# Altium PCB Lay-51943_B.brd.PcbDoc (part 5 of 8) (continued)
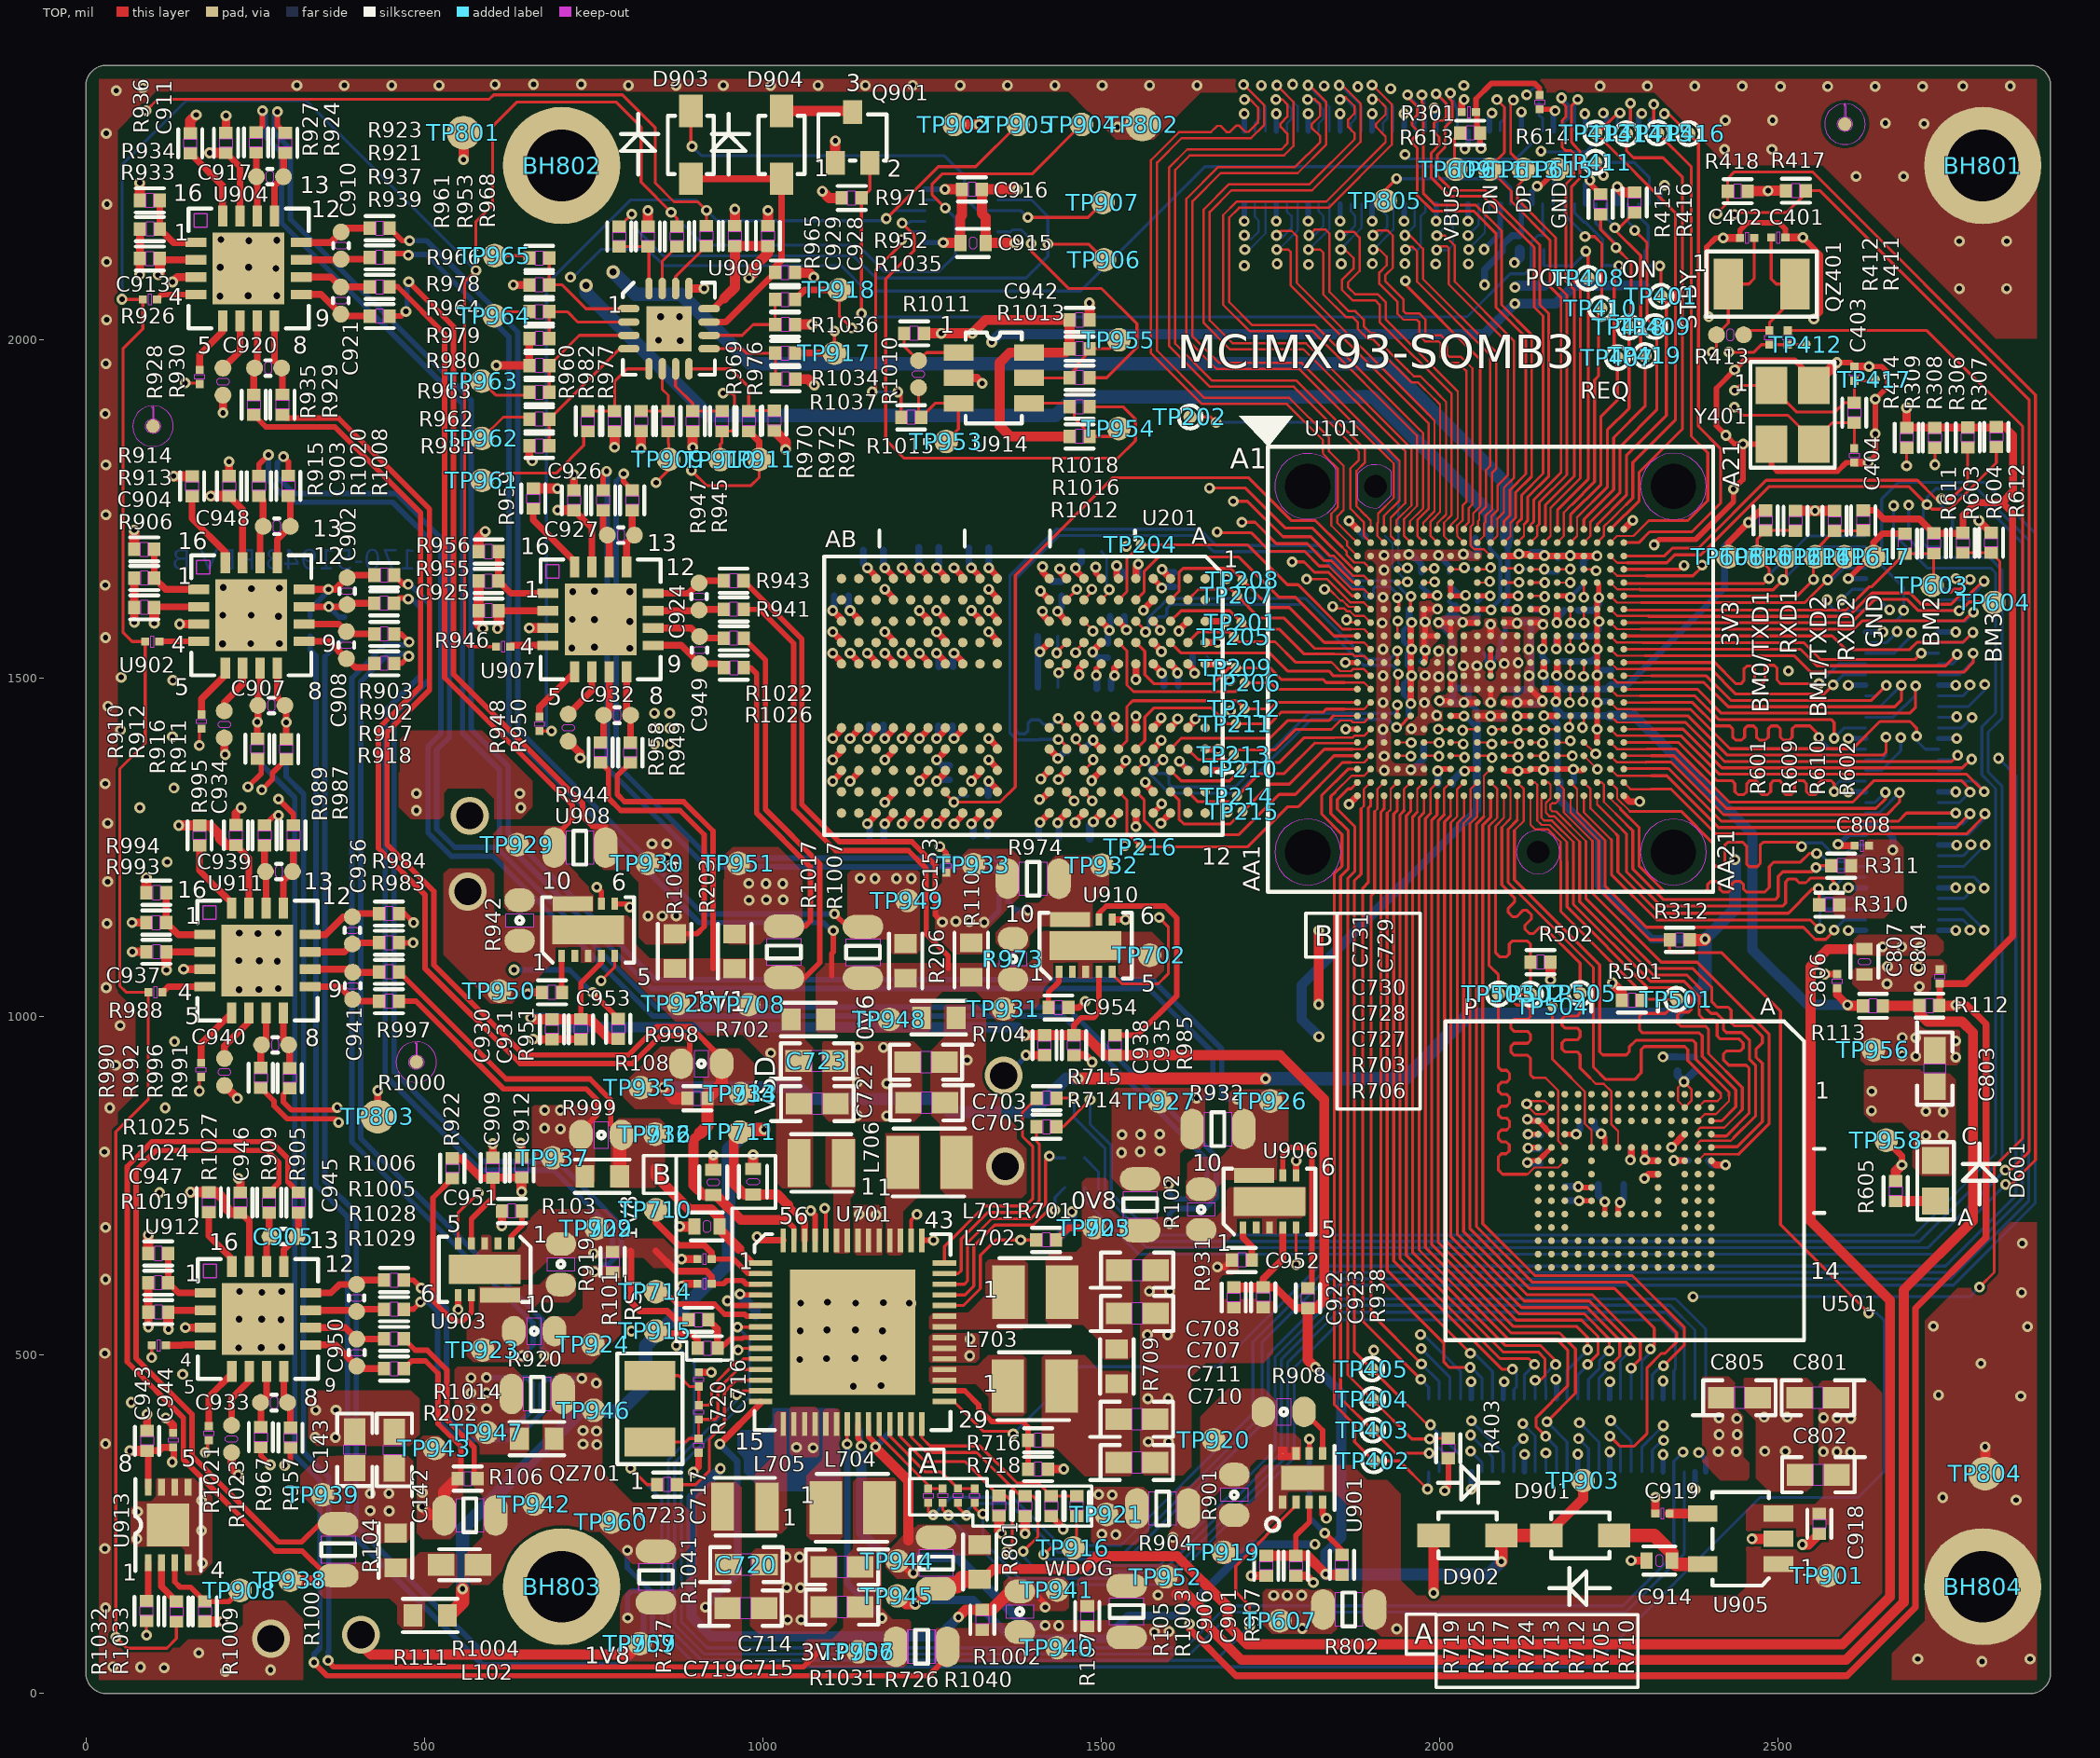
[diagram p0: TOP view]
## Nets (pads, with @x,y where several pads share a name; then routed paths per layer and width w, separated by ;. In a path a pad name is that pad's centre, name@x,y a point inside that pad or via, vN(x,y) a via of type N, cw(c..) or ccw(c..) an arc to the next point about the centre after c; other vN are vias at no path point) (continued)
NetC936_1: C936.1 R983.2 U911.11 | length 107.5
  TOP w10: U911.11@331.31,1095.86 382.04,1095.86 C936.1@393.81,1107.63 395.6,1109.42 R983.2@433.18,1109.42
NetC936_2: C936.2 R984.2 U911.12 | length 114.8
  TOP w10: U911.12@331.31,1121.45 354.16,1121.45 380.34,1147.63 C936.2@393.81,1147.63 398.8,1152.62 R984.2@433.18,1152.62
NetC939_1: C939.1 R987.2 U911.13 | length 98.8
  TOP w10: U911.13@291.94,1160.82 291.93,1201.27 C939.1@305.3,1214.64 306.63,1215.97 R987.2@306.63,1253.55
NetC939_2: C939.2 R989.2 U911.14 | length 93.6
  TOP w10: R989.2@264.03,1253.43 264.03,1215.91 C939.2@265.3,1214.64 266.34,1213.6 U911.14@266.35,1160.82
NetC940_1: C940.1 R991.2 U911.8 | length 85.1
  TOP w10: U911.8@291.94,1005.3 291.93,966.24 C940.1@299.66,958.51 301.15,957.02 R991.2@301.15,924.02
NetC940_2: C940.2 R996.2 U911.7 | length 84
  TOP w10: R996.2@258.45,924.54 258.45,957.3 C940.2@259.66,958.51 266.34,965.19 U911.7@266.35,1005.3
NetC941_1: C941.1 R997.2 U911.10 | length 104.1
  TOP w10: U911.10@331.31,1070.26 389.66,1070.26 C941.1@394.21,1065.71 432.47,1065.71 R997.2@433.18,1066.42
NetC941_2: C941.2 R1000.2 U911.9 | length 110.8
  TOP w10: U911.9@331.31,1044.67 375.25,1044.67 C941.2@394.21,1025.71 396.9,1023.02 R1000.2@433.18,1023.02
NetC945_1: C945.1 R1005.2 U912.11 | length 110.8
  TOP w10: U912.11@331.97,566.34 398.24,566.34 C945.1@400,564.58 403.37,567.95 R1005.2@440.65,567.95
NetC945_2: C945.2 R1006.2 U912.12 | length 116.6
  TOP w10: U912.12@331.97,591.93 362.02,591.93 374.67,604.58 C945.2@400,604.58 406.37,610.95 R1006.2@440.65,610.95
NetC948_1: C948.1 R1008.2 U902.13 | length 108
  TOP w10: U902.13@282.82,1670.92 282.82,1705.45 C948.1@302,1724.63 302,1767.21 R1008.2@299.34,1769.87
NetC948_2: C948.2 R1020.2 U902.14 | length 103.1
  TOP w10: R1020.2@255.64,1769.45 262,1763.09 C948.2@262,1724.63 257.23,1719.86 U902.14@257.23,1670.92
NetC949_1: C949.1 R1022.2 U907.10 | length 110.3
  TOP w10: U907.10@838.33,1574.43 894.26,1574.43 C949.1@906.87,1561.82 909.09,1559.6 R1022.2@942.47,1559.6
NetC949_2: C949.2 R1026.2 U907.9 | length 118.1
  TOP w10: U907.9@838.33,1548.84 879.85,1548.84 C949.2@906.87,1521.82 936.73,1521.82 R1026.2@942.75,1515.8
NetC950_1: C950.1 R1028.2 U912.10 | length 115.8
  TOP w10: U912.10@331.97,540.74 383.28,540.74 C950.1@400.28,523.74 400.49,523.95 R1028.2@440.65,523.95
NetC950_2: C950.2 R1029.2 U912.9 | length 123.2
  TOP w10: U912.9@331.97,515.15 368.87,515.15 C950.2@400.28,483.74 403.87,480.15 R1029.2@440.65,480.15
NetC951_1: C951.1 U903.1 | length 54.2
  TOP w8: U903.1@628.7,665.21 628.7,675.64 644.23,691.17 C951.1@644.23,713.02
NetC952_1: C952.1 U906.1 | length 53.5
  TOP w10: U906.1@1709.65,688.66 1709.65,673.78 1722.96,660.47 C952.1@1722.96,640.69
NetC953_1: C953.1 U908.1 | length 54.1
  TOP w8: U908.1@702.81,1090.06 702.81,1036.78 C953.1@703.37,1036.22
NetC954_1: C954.1 U910.1 | length 59.6
  TOP w8: C954.1@1422.33,1013.65 1422.33,1036.29 1437.94,1051.9 U910.1@1437.94,1066.76
NetD601_A: D601.A R605.2 | length 59
  TOP w15: R605.2@2674.32,727.58 2733.14,727.58 D601.A@2733.25,727.69
NetD903_A: D903.A D904.A R952.2 U909.11 | length 404.5
  TOP w10: D903.A@893.99,2238.35 D904.A@1027.96,2238.35 1027.96,2117.75 1018.49,2108.28 R952.2@1018.49,2099.59 945.51,2026.61 U909.11@920.9,2026.61
NetD904_C: D904.C Q901.3 | length 105.6
  TOP w15: D904.C@1027.96,2338.35 1131.37,2338.35 Q901.3@1132.94,2336.78
NetJ802_51: J802.51 TP805.1 | length 237.6
  TOP w4.4: TP805.1@1919.93,2206.08 1919.93,2221.59 v1(1936.81,2238.47)
  BOTTOM w4.4: v1(1936.81,2238.47) 2092.24,2238.47 2105.45,2225.26 J802.51@2105.45,2201.2
NetL701_1: L701.1 U701.45 U701.46
NetL702_1: L702.1 U701.36 U701.37
NetL703_1: L703.1 U701.31 U701.32
NetL704_1: L704.1 U701.19 U701.20
NetL705_1: L705.1 U701.15
NetL706_1: L706.1 U701.50 U701.51
NetR302_2: R302.2 U101.D8 | length 42.4
  TOP w3.2: U101.D8@2016.66,1661.28 2034.53,1661.28 v1(2036.97,1663.72)
  BOTTOM w4.4: v1(2036.97,1663.72) 2039.25,1661.44 R302.2@2057.1,1661.44
NetR701_2: R701.2 R711.1 U701.38 | length 227.5
  TOP w4.4: U701.38@1268.69,573.32 1296.58,573.32 1321.59,598.33 1321.59,647.55 1344.36,670.32 v1(1381.31,670.32) R701.2@1404.29,670.32
  BOTTOM w4.4: v1(1381.31,670.32) 1403.57,670.32 R711.1@1404.02,670.77
NetR703_2: R703.2 R706.2 U701.8 | length 117.7
  TOP w7: 948.36,520.26 952.91,524.81 970.28,524.81 971.55,526.08 U701.8@997.03,526.08
  TOP w8: R706.2@933.42,510.25 938.35,510.25 948.36,520.26
  TOP w10: R703.2@920.01,552.25 933.42,538.84 R706.2@933.42,510.25
NetR705_2: R705.2 R710.2 U701.28 | length 284.7
  TOP w4.4: U701.28@1235.22,398.12 1235.22,377.94 1247.36,365.8 1321.15,365.8 1375.75,311.2 1407.32,311.2 R705.2@1426.51,292.01 1463.94,292.01 R710.2@1464.07,291.88
NetR707_2: R707.2 U701.39 | length 289.1
  TOP w4.4: U701.39@1268.69,589.07 1299.02,589.07 1312.19,602.24 1312.19,661.54 1342.85,692.2 1399.89,692.2 1422.06,714.37 v1(1431.78,714.37)
  BOTTOM w4.4: v1(1431.78,714.37) 1431.78,733.18 R707.2@1446.35,747.75
NetR708_2: R708.2 U701.40 | length 328.4
  TOP w4.4: U701.40@1268.69,604.82 1298.24,604.82 1302.79,609.37 1302.79,665.86 1338.53,701.6 1395.99,701.6 1418.08,723.69 1418.08,788.48 v1(1423.88,794.28)
  BOTTOM w4.4: v1(1423.88,794.28) 1426.82,791.34 R708.2@1446.34,791.34
NetR714_2: R714.2 U701.41 | length 323.2
  TOP w4.4: U701.41@1268.69,620.56 1288.99,620.56 1293.39,624.96 1293.39,671.64 1332.75,711 1392.08,711 1408.68,727.6 1408.68,811.95 1404.65,815.98 R714.2@1404.65,837.5
NetR715_2: R715.2 U701.42 | length 347.8
  TOP w4.4: U701.42@1268.69,636.31 1268.69,660.87 1328.22,720.4 1388.18,720.4 1399.28,731.5 1399.28,808.04 1383.98,823.34 1383.98,858.85 R715.2@1405,879.87
NetR716_2: R716.2 R718.1 U701.30 | length 211.1
  TOP w8: U701.30@1268.69,447.34 1298.48,447.34 1319.24,426.58 1319.24,421.17 1338.55,401.86 1384.31,401.86 1392.32,393.85 R716.2@1392.32,374.13 R718.1@1392.32,331.74
NetR717_2: R717.2 R724.2 U701.25 | length 175.4
  TOP w4.4: U701.25@1187.98,398.12 1187.98,380.13 1240.57,327.54 1264.14,327.54 R717.2@1288.66,303.02 1313.24,303.02 R724.2@1313.39,302.87
NetR719_2: R719.2 R725.2 U701.24 | length 146.8
  TOP w4.4: U701.24@1172.23,398.12 1172.23,380.87 1244.73,308.37 R719.2@1244.73,302.77 1244.87,302.91 R725.2@1266.11,302.91
NetR723_1: R723.1 U701.12 | length 242.5
  TOP w4.4: R723.1@873.74,308.73 900.93,308.73 921.05,328.85 921.05,375.14 943.52,397.61 943.52,445.72 960.88,463.08 U701.12@997.03,463.08
NetR907_2: R907.2 U901.6 | length 212.6
  TOP w8: U901.6@1807.82,354.69 v1(1807.82,376.19) ; v1(1830.69,237.16) 1855.97,211.88 R907.2@1855.97,205.02
  BOTTOM w8: v1(1807.82,376.19) 1807.82,260.03 v1(1830.69,237.16)
NetR908_2: R908.2 U901.5 | length 73
  TOP w8: R908.2@1800.05,416.36 1827.51,388.9 U901.5@1827.51,354.69
NetR912_1: R912.1 U902.6 | length 74.6
  TOP w10: R912.1@204.53,1451.98 204.53,1464.54 231.63,1491.64 U902.6@231.63,1515.4
NetR913_1: R913.1 R914.1 U902.1 | length 114.9
  TOP w10: R914.1@100.76,1690.53 101.05,1690.24 R913.1@101.05,1648.35 117.85,1631.55 U902.1@166.67,1631.55
NetR915_1: R915.1 U902.16 | length 118.8
  TOP w10: R915.1@156.86,1769.35 156.86,1736.04 206.04,1686.86 U902.16@206.04,1670.92
NetR922_2: R922.2 U903.7 | length 292.5
  TOP w8: R922.2@541.55,761.27 512.91,732.63 512.91,580.42 542.9,550.43 557.02,550.43 569.64,563.05 U903.7@569.64,588.43
NetR930_1: R930.1 U904.6 | length 79.8
  TOP w10: R930.1@202.54,1958.59 227.66,1983.71 U904.6@227.67,2028.01
NetR933_1: R933.1 R934.1 U904.1 | length 103.9
  TOP w10: R934.1@109.07,2206.31 109.37,2206.01 R933.1@109.37,2164.13 129.34,2144.16 U904.1@162.71,2144.16
NetR936_1: R936.1 U904.16 | length 112.2
  TOP w10: R936.1@154.24,2275.88 202.07,2228.05 U904.16@202.08,2183.53
NetR938_2: R938.2 U906.7 | length 282.6
  TOP w8: U906.7@1768.71,765.44 1768.71,797.16 1778.65,807.1 1800.36,807.1 1811.58,795.88 1811.58,604.97 R938.2@1805.72,599.11
NetR950_1: R950.1 U907.6 | length 76.8
  TOP w10: R950.1@712.89,1447.15 747.77,1482.03 U907.6@747.77,1509.47
NetR951_2: R951.2 U908.7 | length 385.3
  TOP w8: v1(748.53,1036.02) 786.73,997.82 R951.2@786.73,996.97 ; v1(754.99,1191.68) 761.87,1184.8 U908.7@761.87,1166.84
  L3_INT_1 w8: v1(632.64,1069.33) v1(754.99,1191.68)
  BOTTOM w8: v1(632.64,1069.33) 714.52,1069.33 747.83,1036.02 v1(748.53,1036.02)
NetR953_2: R953.2 R961.2 U909.16 | length 105
  TOP w4.4: R961.2@788.29,2138.19 R953.2@830.49,2138.19 832.06,2136.62 U909.16@832.06,2076.08
NetR955_1: R955.1 R956.1 U907.1 | length 124.3
  TOP w10: R956.1@609.72,1687.4 609.61,1687.29 R955.1@609.61,1643.85 627.84,1625.62 U907.1@682.81,1625.62
NetR959_1: R959.1 U907.16 | length 111.3
  TOP w10: R959.1@661.03,1750.99 661.03,1734.1 722.18,1672.95 U907.16@722.18,1664.99
NetR960_1: R960.1 R982.1 U909.5 | length 142.1
  TOP w4.4: R960.1@741.61,1894.83 R982.1@781.27,1894.83 781.27,1938.8 799.93,1957.46 U909.5@832.06,1957.46
NetR962_1: R962.1 R981.1 U909.4 | length 200.4
  TOP w4.4: R981.1@684.65,1843.53 R962.1@684.65,1883.19 788.7,1987.24 U909.4@802.28,1987.24
NetR963_1: R963.1 R980.1 U909.3 | length 175.7
  TOP w4.4: R963.1@684.65,1922.85 R980.1@684.65,1962.51 729.07,2006.93 U909.3@802.28,2006.93
NetR964_1: R964.1 R979.1 U909.2 | length 163.6
  TOP w4.4: R979.1@684.65,2002.17 R964.1@684.65,2041.83 711.32,2041.83 726.54,2026.61 U909.2@802.28,2026.61
NetR966_1: R966.1 R978.1 U909.1 | length 171.9
  TOP w4.4: R966.1@684.65,2121.15 R978.1@684.65,2081.49 703.74,2081.49 738.93,2046.3 U909.1@802.28,2046.3
NetR969_1: R969.1 R977.2 U909.6 | length 106.6
  TOP w4.4: R977.2@820.37,1895.16 860.26,1895.16 R969.1@860.59,1894.83 860.59,1918.41 851.75,1927.25 U909.6@851.75,1957.46
NetR970_1: R970.1 R976.2 U909.7 | length 116.4
  TOP w4.4: U909.7@871.43,1957.46 871.43,1931.6 896.7,1906.33 R976.2@896.7,1894.79 896.74,1894.83 R970.1@939.91,1894.83
NetR972_1: R972.1 R975.2 U909.8 | length 173.5
  TOP w4.4: U909.8@891.12,1957.46 952.52,1957.46 979.57,1930.41 R972.1@979.57,1894.83 980.27,1895.53 R975.2@1017.57,1895.53
NetR985_2: R985.2 U910.7 | length 366.8
  TOP w8: U910.7@1497,1143.54 1497,1152.86 1507.88,1163.74 1594.33,1163.74 1612.16,1145.91 1612.16,1031.18 1553.87,972.89 R985.2@1520.56,972.89
NetR992_1: R992.1 U911.6 | length 81.8
  TOP w10: R992.1@204.8,938.4 204.8,956.77 240.74,992.71 U911.6@240.75,1005.3
NetR993_1: R993.1 R994.1 U911.1 | length 108.8
  TOP w10: R994.1@119.01,1183.3 118.6,1182.89 R993.1@118.6,1139.19 136.34,1121.45 U911.1@175.79,1121.45
NetR995_1: R995.1 U911.16 | length 112
  TOP w10: R995.1@167.94,1253.28 167.94,1216.09 215.15,1168.88 U911.16@215.16,1160.82
NetR1010_1: R1010.1 R1011.2 U914.1 | length 113.1
  TOP w4.4: R1011.2@1209,2009.92 1209,1991.01 R1010.1@1230.4,1969.61 1242.19,1981.4 U914.1@1289.46,1981.4
NetR1010_2: R1010.2 R1015.1 TP953.1 U914.3 | length 173.1
  TOP w4.4: R1010.2@1230.4,1929.61 1230.4,1889.73 R1015.1@1234.25,1885.88 1254.97,1906.6 U914.3@1289.46,1906.6 1289.46,1868.29 TP953.1@1271.3,1850.13
NetR1012_2: R1012.2 R1016.1 TP954.1 U914.4 | length 166.4
  TOP w4.4: U914.4@1393.46,1906.6 1448.23,1906.6 R1016.1@1453.47,1901.36 1460.28,1894.55 1460.28,1884.66 1482.99,1861.95 R1012.2@1482.99,1857.56 1514.56,1857.56 TP954.1@1526.33,1869.33
NetR1013_2: R1013.2 R1018.1 TP955.1 U914.5 | length 164.1
  TOP w4.4: U914.5@1393.46,1944 1453.11,1944 R1018.1@1453.47,1944.36 1453.47,1948.48 1466.25,1961.26 1466.25,1965.73 1482.99,1982.47 R1013.2@1482.99,1987.26 1513.21,1987.26 TP955.1@1526.34,2000.39
NetR1023_1: R1023.1 U912.6 | length 90.5
  TOP w10: R1023.1@215.24,396.16 215.24,436.2 241.4,462.36 U912.6@241.41,475.78
NetR1024_1: R1024.1 R1025.1 U912.1 | length 104.2
  TOP w10: R1025.1@121.7,650.28 R1025.1@121.7,650.28 R1024.1@121.74,607.14 136.95,591.93 U912.1@176.45,591.93
NetR1027_1: R1027.1 U912.16 | length 94.2
  TOP w10: R1027.1@181.62,711.34 181.62,676.53 215.81,642.34 U912.16@215.82,631.3
NetR1032_2: R1032.2 U913.1 | length 57.9
  TOP w10: R1032.2@89.43,136.67 91.96,139.2 U913.1@91.96,193.51
NetR1033_2: R1033.2 U913.2 | length 66.7
  TOP w10: U913.2@111.65,193.51 111.65,158.13 R1033.2@133.83,135.95
NetR1034_1: R1034.1 R1037.2 U909.9 | length 138.9
  TOP w4.4: U909.9@920.9,1987.24 969.33,1987.24 975.96,1980.61 R1034.1@1018.49,1980.61 1019.1,1980 R1037.2@1019.1,1942.25
NetR1035_1: R1035.1 R1036.2 U909.10 | length 141.3
  TOP w4.4: U909.10@920.9,2006.93 969.99,2006.93 985.94,2022.88 R1036.2@1018.52,2022.88 R1035.1@1018.49,2059.93
NetTP202_1: TP202.1 U101.D4 | length 516.2
  TOP w3.2: U101.D4@1937.92,1661.28 1951.01,1661.28 v1(1952.93,1663.2)
  TOP w4.4: TP202.1@1631.77,1886.32 1662.11,1886.32 v1(1670.02,1878.41)
  BOTTOM w3.2: 1939.49,1756.53 1939.49,1706.09 1939.12,1705.72 1939.12,1671.02 1946.94,1663.2 v1(1952.93,1663.2)
  BOTTOM w4.4: v1(1670.02,1878.41) 1879.34,1878.41 1939.49,1818.26 1939.49,1756.53
NetTP504_1: TP504.1 U501.K5 | length 232.4
  TOP w3.2: 2194.71,909.79 2214.92,889.58 2214.92,845.57 2215.03,845.46 2215.03,842.2 2224.78,832.45 U501.K5@2224.78,806.87
  TOP w4.4: TP504.1@2167.09,1015.41 2167.09,937.41 2194.71,909.79
NetTP714_1: TP714.1 U701.6 | length 170.1
  TOP w8: TP714.1@841.99,593.85 855.21,593.85 873.58,575.48 928.72,575.48 943.88,560.32 973.39,560.32 976.14,557.57 U701.6@997.03,557.57
NVCC_1P8: C116.1 C117.1 R106.1 R1004.2 R1029.1 TP943.1 U101.R10 U101.R12 U101.W8 | length 545.4
  TOP w8: R1029.1@470.17,480.15 481.61,491.59 501.81,491.59 520.59,472.81 520.59,398.57 554.34,364.82 554.34,322.63 R106.1@549.33,317.62 ; v1(1997.7,1363.31) 2000.39,1366 U101.W8@2016.66,1366 ; U101.R10@2056.03,1444.74 2075.23,1444.74 v1(2075.55,1444.42) 2075.75,1444.42 2076.07,1444.74 U101.R12@2095.41,1444.74
  TOP w15: v1(497.08,275.93) 509.71,263.3 R1004.2@529.38,263.3 ; v1(1821.74,1018.29) v1(1821.74,1127.44)
  TOP w18: R1004.2@529.38,263.3 529.38,297.67 R106.1@549.33,317.62
  BOTTOM w10: v1(1997.7,1363.31) 1998.16,1362.85 C116.1@1998.16,1343.55 ; v1(2075.55,1444.42) 2077.74,1442.23 C117.1@2096.88,1442.23
  other v1: 496.97,297 488.54,1304.78 642.63,1308.91 488.54,1329.95 641.1,1329.95
NVCC_3P3: R107.1 R112.2 R113.2 R989.1 R1003.2 TP952.1 | length 4806.4
  TOP w8: R989.1@264.03,1282.95 278.77,1297.69 v1(284.57,1297.69)
  TOP w15: 1611.47,146.76 1627.25,146.76 1655.19,118.82 1655.19,102 1707.46,49.73 2600.79,49.73 2686.06,135 2686.06,596.47 2788.5,698.91 2788.5,976.76 2772.38,992.88 2721.28,992.88 2709.42,1004.74 R112.2@2709.42,1016.34 2682.47,1016.34 2682.27,1016.14 R113.2@2655.58,1016.14
  L3_INT_1 w8: v1(284.57,1297.69) 284.57,1290.19 330.71,1244.05 330.71,1041.62 255.54,966.45 255.54,692.43 321.73,626.24 321.73,443.01 255.54,376.82 255.54,270.27 302.76,223.05 437.18,223.05 594.98,65.25 807.63,65.25 820.25,77.87 1448.78,77.87 1498.61,127.7 1566.55,127.7 v1(1584.28,145.43)
NVCC_AON: C119.1 C804.1 J803.90 R112.1 R306.1 R307.1 R308.1 R309.1 R601.1 R602.1 R603.1 R604.1 R705.1 TP608.1 U101.L16 | length 4803.6
  TOP w10: R705.1@1426.51,262.49 1444.05,244.95 v1(1444.05,242.96) ; v1(1630.79,102.77) 1630.79,95.03 1699.42,26.4 2602.22,26.4 2703.56,127.74 2703.56,569.4 2807.7,673.54 2807.7,989.36 2779.57,1017.49 v1(2763.05,1017.49) ; v1(2173.2,1504.03) 2174.15,1504.98 U101.L16@2174.15,1523.48 ; TP608.1@2426.61,1679.71 2426.61,1700.24 v1(2456.76,1730.39) 2456.76,1730.63 2474.18,1748.05 R601.1@2482.26,1748.05 ; R602.1@2626.38,1748.28 2644.15,1748.28 2656.67,1735.76 2709.29,1735.76 R603.1@2730.83,1714.22 2772.93,1714.22 R604.1@2773.69,1714.98 2773.69,1741.27 2792.27,1759.85 2831.66,1759.85 2847.28,1744.23 2847.28,1118.8 2777.42,1048.94 C804.1@2739.29,1048.94 2739.29,1016.69 R112.1@2738.94,1016.34
  TOP w12: v1(2690.47,1899.8) R309.1@2690.47,1870.52 R308.1@2732.32,1870.51 2780.56,1870.51 R306.1@2780.77,1870.72 2822.32,1870.72 R307.1@2823.11,1871.51 2835.62,1871.51 2847.9,1859.23 2847.9,1776.09 2831.66,1759.85
  TOP w15: R112.1@2738.94,1016.34 2761.9,1016.34 v1(2763.05,1017.49)
  L3_INT_1 w10: v1(1444.05,242.96) 1475.09,274 1596.06,274 1638.68,231.38 1638.68,110.66 v1(1630.79,102.77)
  L3_INT_1 w12: v1(2456.76,1730.39) 2499.74,1773.37 2621.65,1773.37 2690.47,1842.19 v1(2690.47,1899.8)
  BOTTOM w10: v1(2173.2,1504.03) 2173.2,1494.77 2183.63,1484.34 2247.36,1484.34 C119.1@2254.12,1491.1 2278.72,1491.1 2421.63,1634.01 2421.63,1695.26 v1(2456.76,1730.39) ; J803.90@2737.55,1017.49 v1(2763.05,1017.49)
NVCC_BBSM_1P8: C101.1 R101.2 R903.1 R918.1 R920.2 TP924.1 U101.G12 | length 6227.3
  TOP w8: R918.1@455.73,1522.32 466.58,1522.32 v1(476.99,1532.73) ; R903.1@455.73,1652.62 469.3,1639.05 v1(476.19,1639.05) ; U101.G12@2095.41,1602.22 2113.86,1602.22 v1(2114.46,1601.62)
  L3_INT_1 w20: v1(677.68,498.56) 677.68,501.29 520.71,658.26 520.71,1146.14 506.92,1159.93 506.92,1240.96 516,1250.04 516,1466.03 504.19,1477.84 504.19,2126.71 532.79,2155.31 741.08,2155.31 776.09,2120.3 776.09,2103.47 v2(778.98,2100.58)
  BOTTOM w8: v1(476.19,1639.05) 478.79,1639.05 507.6,1610.24 507.6,1498.76 455.38,1446.54 455.38,918.85 588.08,786.15 696.46,786.15 791.12,691.49 791.12,653.06 771.15,633.09 761.23,633.09 v1(751.67,623.53) ; v1(476.99,1532.73) 473.57,1536.15 447,1536.15 405.93,1495.08 405.93,820.68 673.82,552.79 673.82,510.33 677.68,506.47 v1(677.68,498.56) ; C101.1@2097.04,1602.16 2097.04,1609.39 2100.86,1613.21 2100.86,1695.47
  BOTTOM w10: C101.1@2097.04,1602.16 2113.92,1602.16 v1(2114.46,1601.62)
  BOTTOM w12: 2099.09,1705.86 2100.86,1704.09 2100.86,1695.47
  BOTTOM w20: v2(778.98,2100.58) 812.08,2067.48 879.82,2067.48 982.11,1965.19 1920.69,1965.19 2099.09,1786.79 2099.09,1705.86
NVCC_BBSM_1V8: C727.1 C809.1 J802.53 Q901.1 R101.1 R401.1 R404.1 R405.1 R703.1 R902.1 R919.1 R971.1 TP709.1 TP922.1 U701.3 U903.3 U903.11 | length 2884.5
  TOP w8: R902.1@455.37,1610.98 463.42,1619.03 474.75,1619.03 v1(476.37,1617.41) ; C727.1@924.68,605.53 942.18,605.53 947.02,610.37 970.33,610.37 975.88,604.82 U701.3@997.03,604.82
  TOP w10: 804.87,653.8 805.45,653.22 805.45,578.18 818.32,565.31 859.08,565.31 872.14,552.25 R703.1@890.49,552.25 ; 841.99,654.16 872.2,623.95 917.01,623.95 924.68,616.28 C727.1@924.68,605.53
  TOP w15: v1(1088.2,2219.96) 1098.32,2209.84 R971.1@1116.69,2209.84 ; Q901.1@1107.44,2261.84 v1(1107.44,2294.35)
  L3_INT_1 w15: v1(2066.72,2081.64) 2066.72,2077.34 2090.29,2053.77 v1(2111.64,2053.77)
  BOTTOM w8: v1(476.37,1617.41) 482.03,1617.41 494.6,1604.84 494.6,1504.16 442.38,1451.94 442.38,913.46 582.69,773.15 691.07,773.15 778.12,686.1 778.12,658.45 765.77,646.1 754.45,646.1 v1(750.1,650.45) ; C809.1@2118.86,2154.34 2121.2,2156.68 J802.53@2121.2,2201.2
  BOTTOM w10: v1(2066.72,2081.64) 2066.72,2104.16 2093.47,2130.91 2093.47,2140.48 2107.33,2154.34 C809.1@2118.86,2154.34
  BOTTOM w15: v1(1338.59,1996.93) 1350.34,2008.68 2066.55,2008.68 v1(2111.64,2053.77) 2172,2053.77 R404.1@2198.54,2080.31 2240.94,2080.31 R401.1@2241.26,2080.63 2303.1,2080.63 R405.1@2303.73,2080
NVCC_GPIO: C118.1 C806.1 J803.89 R113.1 U101.N15 U101.N16 | length 842.8
  TOP w10: U101.N15@2154.46,1484.11 U101.N16@2174.15,1484.11 2174.15,1467.41 v1(2172.29,1465.55)
  TOP w12: C806.1@2587.79,1042.03 2587.79,1032.78 v1(2603.08,1017.49)
  TOP w15: v1(2603.08,1017.49) 2604.43,1016.14 R113.1@2626.06,1016.14
  BOTTOM w10: v1(2172.29,1465.55) 2172.29,1455.35 2182.8,1444.84 C118.1@2251.94,1444.84 ; v1(2603.08,1017.49) J803.89@2629.85,1017.49
  BOTTOM w15: C118.1@2251.94,1444.84 2288.06,1444.84 2462.67,1270.23 2462.67,1099.03 2544.21,1017.49 v1(2603.08,1017.49)
NVCC_SD: C731.1 R108.2 R929.1 R998.1 TP713.1 TP934.1 U701.55 | length 1917.7
  TOP w8: R929.1@290.42,1889.75 295.42,1884.75 373.19,1884.75 507.6,1750.34 507.6,1482.99 445.16,1420.55 445.16,1254.45 514.35,1185.26 514.35,1076.59 647.2,943.74 802.18,943.74 843.72,985.28 893.54,985.28 914.8,964.02 914.8,963.61 939.6,938.81 R998.1@939.6,930.75 ; 1034.68,699.83 1046.25,688.26 U701.55@1046.25,669.78
  TOP w15: 907.86,828.04 898.04,818.22 898.04,751.25 912.6,736.69 C731.1@927.09,736.69 931.03,736.69 967.89,699.83 1034.68,699.83
  TOP w18: 907.86,828.04 918.2,838.38 R108.2@918.2,879.51 939.6,900.91 R998.1@939.6,930.75
NVCC_SD2: C129.1 C808.1 J803.55 R108.1 R310.1 R311.1 R312.1 R935.1 R998.2 TP935.1 U101.R16 | length 4262.6
  TOP w8: R935.1@248.12,1889.57 265.94,1871.75 367.8,1871.75 494.6,1744.95 494.6,1488.38 432.16,1425.94 432.16,1249.06 501.35,1179.87 501.35,1071.2 641.81,930.74 807.57,930.74 849.11,972.28 884.53,972.28 892.53,964.28 892.53,948.03 ; R998.2@879.6,940.03 R998.2@884.53,940.03
  TOP w10: v1(2154.55,1444.74) U101.R16@2174.15,1444.74
  TOP w18: v1(853.19,895.57) 869.25,879.51 R108.1@888.68,879.51 ; v1(1466.37,908.62) v1(1743.09,908.62) ; R312.1@2369.86,1113.62 2391.51,1113.62 v1(2392.71,1114.82)
  L3_INT_1 w18: v1(2436.89,1232.32) 2488.76,1284.19 2632.22,1284.19 v1(2669.95,1246.46)
  BOTTOM w10: v1(2154.55,1444.74) 2162.42,1444.74 2174.53,1432.63 2174.53,1350.08 C129.1@2177.81,1346.8 ; J803.55@2629.85,1285.21 2649.79,1285.21 2669.95,1265.05 v1(2669.95,1246.46)
  BOTTOM w12: C129.1@2177.81,1346.8 2177.81,1320.89 2235.52,1263.18 2235.52,1193.63 2314.33,1114.82 v1(2392.71,1114.82)
  BOTTOM w18: v1(853.19,895.57) 1054.54,895.57 1071.38,878.73 1256.7,878.73 1276,859.43 1399.42,859.43 1448.61,908.62 v1(1466.37,908.62) ; v1(2392.71,1114.82) 2436.89,1159 v1(2436.89,1232.32)
  BOTTOM w20: v1(1743.09,908.62) 1948.89,908.62 2043.67,1003.4 2348.65,1003.4 2392.71,1047.46 v1(2392.71,1114.82)
ODT_CA_A: R210.2 U201.G2 | length 81
  TOP w3.2: U201.G2@1500.39,1616.01 1512.16,1627.78 v1(1512.16,1631.21)
  BOTTOM w3.2: R210.2@1503.18,1685.04 1508.14,1680.08 1508.14,1635.23 v1(1512.16,1631.21)
  BOTTOM w4.1: R210.2@1500.76,1687.46 R210.2@1503.18,1685.04
ONOFF: J802.75 R405.2 TP401.1 U101.A19 | length 557.1
  TOP w4.4: U101.A19@2233.2,1720.33 2233.2,1727.37 2276.38,1770.55 2276.38,1829.48 2335.33,1888.43 2335.33,2056.91 TP401.1@2327.57,2064.67 2327.57,2107.68 v1(2325.73,2109.52)
  BOTTOM w4.4: J802.75@2294.43,2201.2 2294.43,2182.76 2308.65,2168.54 2308.65,2137.24 2303.73,2132.32 R405.2@2303.73,2109.52 v1(2325.73,2109.52)
PDM_CLK: J803.11 U101.G17 | length 490
  TOP w3.6: v1(2193.83,1582.04) U101.G17@2193.83,1602.22
  L3_INT_1 w3.2: 2252.13,1605.89 2278.36,1632.12 2313.43,1632.12
  L3_INT_1 w3.6: v1(2193.83,1582.04) 2217.68,1605.89 2252.13,1605.89 ; 2313.43,1632.12 2314.56,1630.99 2579.82,1630.99 v1(2594.62,1616.19)
  BOTTOM w4.4: v1(2594.62,1616.19) 2610.1,1631.67 J803.11@2629.85,1631.67
PDM_DATA0: J803.13 U101.J17 | length 556.6
  TOP w3.6: v1(2192.68,1544.31) 2193.83,1545.46 U101.J17@2193.83,1562.85
  L3_INT_1 w3.2: v1(2192.68,1544.31) 2214.75,1566.38 2313.43,1566.38
  L3_INT_1 w3.6: 2313.43,1566.38 2571.88,1566.38 2604.77,1599.27 2662.98,1599.27 v1(2665.24,1601.53)
  BOTTOM w4.4: J803.13@2629.85,1615.92 2650.85,1615.92 v1(2665.24,1601.53)
PDM_DATA1: J803.15 U101.G18 | length 459.1
  TOP w3.6: U101.G18@2213.52,1602.22 2213.52,1582.58 v1(2213.83,1582.27)
  L3_INT_1 w3.6: v1(2213.83,1582.27) 2229.56,1598 2554.83,1598 v1(2573.02,1616.19)
  BOTTOM w4.4: v1(2573.02,1616.19) 2573.55,1615.66 2573.55,1611.74 2585.12,1600.17 J803.15@2629.85,1600.17
PMIC_32K_OUT: J801.34 R411.1 U701.7 | length 4584.6
  TOP w4.4: v1(962.97,541.56) 996.77,541.56 U701.7@997.03,541.82 ; R411.1@2514.69,2014.1 2720.26,2014.1 2861.98,1872.38 2861.98,820.55 2819.9,778.47 2819.9,622.33 v1(2798.12,600.55)
  L3_INT_1 w3.6: v1(2360.06,356.88) 2360.06,571.61 v1(2374.92,586.47)
  BOTTOM w4.4: v1(962.97,541.56) 980.48,524.05 980.48,438.49 880.13,338.14 880.13,105.47 917.86,67.74 1624.39,67.74 1686.39,129.74 2271.5,129.74 2346.35,204.59 J801.34@2346.35,327.61 2346.35,343.17 v1(2360.06,356.88) ; v1(2374.92,586.47) 2784.04,586.47 v1(2798.12,600.55)
PMIC_NINT: J801.32 U701.13 | length 2107.6
  TOP w4.4: v1(961.74,441.87) 965.76,441.87 971.23,447.34 U701.13@997.03,447.34
  BOTTOM w4.4: v1(961.74,441.87) 961.74,433.05 869.95,341.26 869.95,102.35 913.96,58.34 1631.81,58.34 1693.81,120.34 2275.4,120.34 2362.1,207.04 J801.32@2362.1,327.61
PMIC_ON_REQ: J802.63 R401.2 R418.1 R707.1 TP407.1 U101.A17 | length 4031.8
  TOP w4.4: U101.A17@2193.83,1720.33 2193.83,1741.6 2238.78,1786.55 2238.78,1887.18 2262.99,1911.39 TP407.1@2262.99,1973.82 2258.28,1978.53 2258.28,2102.84 v1(2265.19,2109.75) ; v1(2410.16,2187.04) 2425.96,2202.84 R418.1@2425.96,2219.95 2425.96,2238.55 2435.92,2248.51 2551.31,2248.51 2880.85,1918.97 2880.85,788.39 2844.83,752.37 v1(2836.83,752.37)
  L3_INT_1 w3.6: v1(2265.19,2109.75) 2286.59,2109.75 2363.88,2187.04 v1(2410.16,2187.04)
  BOTTOM w4.4: R707.1@1475.87,747.75 1475.87,729.17 1555.73,649.31 2733.77,649.31 v1(2836.83,752.37) ; J802.63@2199.94,2201.2 2199.94,2187.88 2213.6,2174.22 2215.76,2174.22 2241.26,2148.72 R401.2@2241.26,2110.15 2251,2110.15 2251.4,2109.75 v1(2265.19,2109.75)
PMIC_SCLH: J801.31 R724.1 | length 1478.6
  TOP w4.4: R724.1@1313.39,281.85 1313.39,274.32 1322.2,265.51 v1(1325.48,265.51)
  BOTTOM w4.4: v1(1325.48,265.51) 1325.48,224.42 1379.51,170.39 1594.12,170.39 1776.07,352.34 1776.07,489.85 1849.62,563.4 2334.5,563.4 2362.1,535.8 J801.31@2362.1,435.31
PMIC_SCLL: J801.27 R712.2 U701.27 | length 1715.5
  TOP w4.4: U701.27@1219.47,398.12 1219.47,379.13 1242.46,356.14 1316.61,356.14 1380.73,292.02 R712.2@1387.83,292.02 1398.78,292.02 1406.71,284.09 1406.71,231.7 v1(1385.17,210.16)
  BOTTOM w4.4: v1(1385.17,210.16) 1385.17,202.53 1398.51,189.19 1586.32,189.19 1757.27,360.14 1757.27,497.65 1842.87,583.25 2348.82,583.25 2393.59,538.48 J801.27@2393.59,435.31
PMIC_SDAH: J801.33 R725.1 | length 1485.3
  TOP w4.4: R725.1@1266.11,281.89 1266.11,271.9 v1(1274.46,263.55)
  BOTTOM w4.4: v1(1274.46,263.55) 1274.46,262.13 1375.6,160.99 1598.02,160.99 1785.47,348.44 1785.47,481.81 1855.95,552.29 2327.53,552.29 2348.91,530.91 2348.91,479.48 2346.35,476.92 J801.33@2346.35,435.31
PMIC_SDAL: J801.29 R713.2 U701.26 | length 1690.2
  TOP w4.4: U701.26@1203.73,398.12 1203.73,379.05 1239.87,342.91 1298.81,342.91 R713.2@1349.44,292.28 1359.86,292.28 1368.87,283.27 1368.87,218.33 v1(1360.97,210.43)
  BOTTOM w4.4: v1(1360.97,210.43) 1391.61,179.79 1590.22,179.79 1766.67,356.24 1766.67,493.75 1846.77,573.85 2340.92,573.85 2377.84,536.93 J801.29@2377.84,435.31
PMIC_STBY_REQ: J802.73 R417.1 R708.1 TP409.1 U101.B18 | length 3967.5
  TOP w3.2: U101.B18@2213.52,1700.65 2223.27,1710.4 2223.27,1731.11
  TOP w4.4: 2223.27,1731.11 2266.98,1774.82 2266.98,1842.59 2321.22,1896.83 2321.22,2016.93 TP409.1@2318.13,2020.02 2306.84,2031.31 2306.84,2143.89 v3(2288.68,2162.05) ; v1(2435.94,2185.46) 2439.09,2188.61 2513.5,2188.61 2541.41,2216.52 R417.1@2541.41,2220.64 2562.73,2220.64 2871.45,1911.92 2871.45,800.58 2844.24,773.37 v1(2836.31,773.37)
  L3_INT_1 w3.6: v3(2288.68,2162.05) 2339.44,2212.81 2408.59,2212.81 v1(2435.94,2185.46)
  BOTTOM w4.4: R708.1@1475.86,791.34 1496.32,770.88 1496.32,729.76 1567.37,658.71 2721.65,658.71 v1(2836.31,773.37) ; J802.73@2278.68,2201.2 2278.68,2175.25 2288.68,2165.25 v3(2288.68,2162.05)